# Altium PCB PCB5.PcbDoc (part 11 of 16)
Units mil, origin at the board's own origin, x right, y up, seen from the top; angles counter-clockwise.
Board outline 9210.27 x 4350.4 mil, 4 copper layers (Top Layer, Layer 1, Layer 2, Bottom Layer), stack 23.756 mil thick; 1550 components, 1731 nets, 5196 pads, 1890 vias.
Unrouted connection lines stored in the file: 2462.
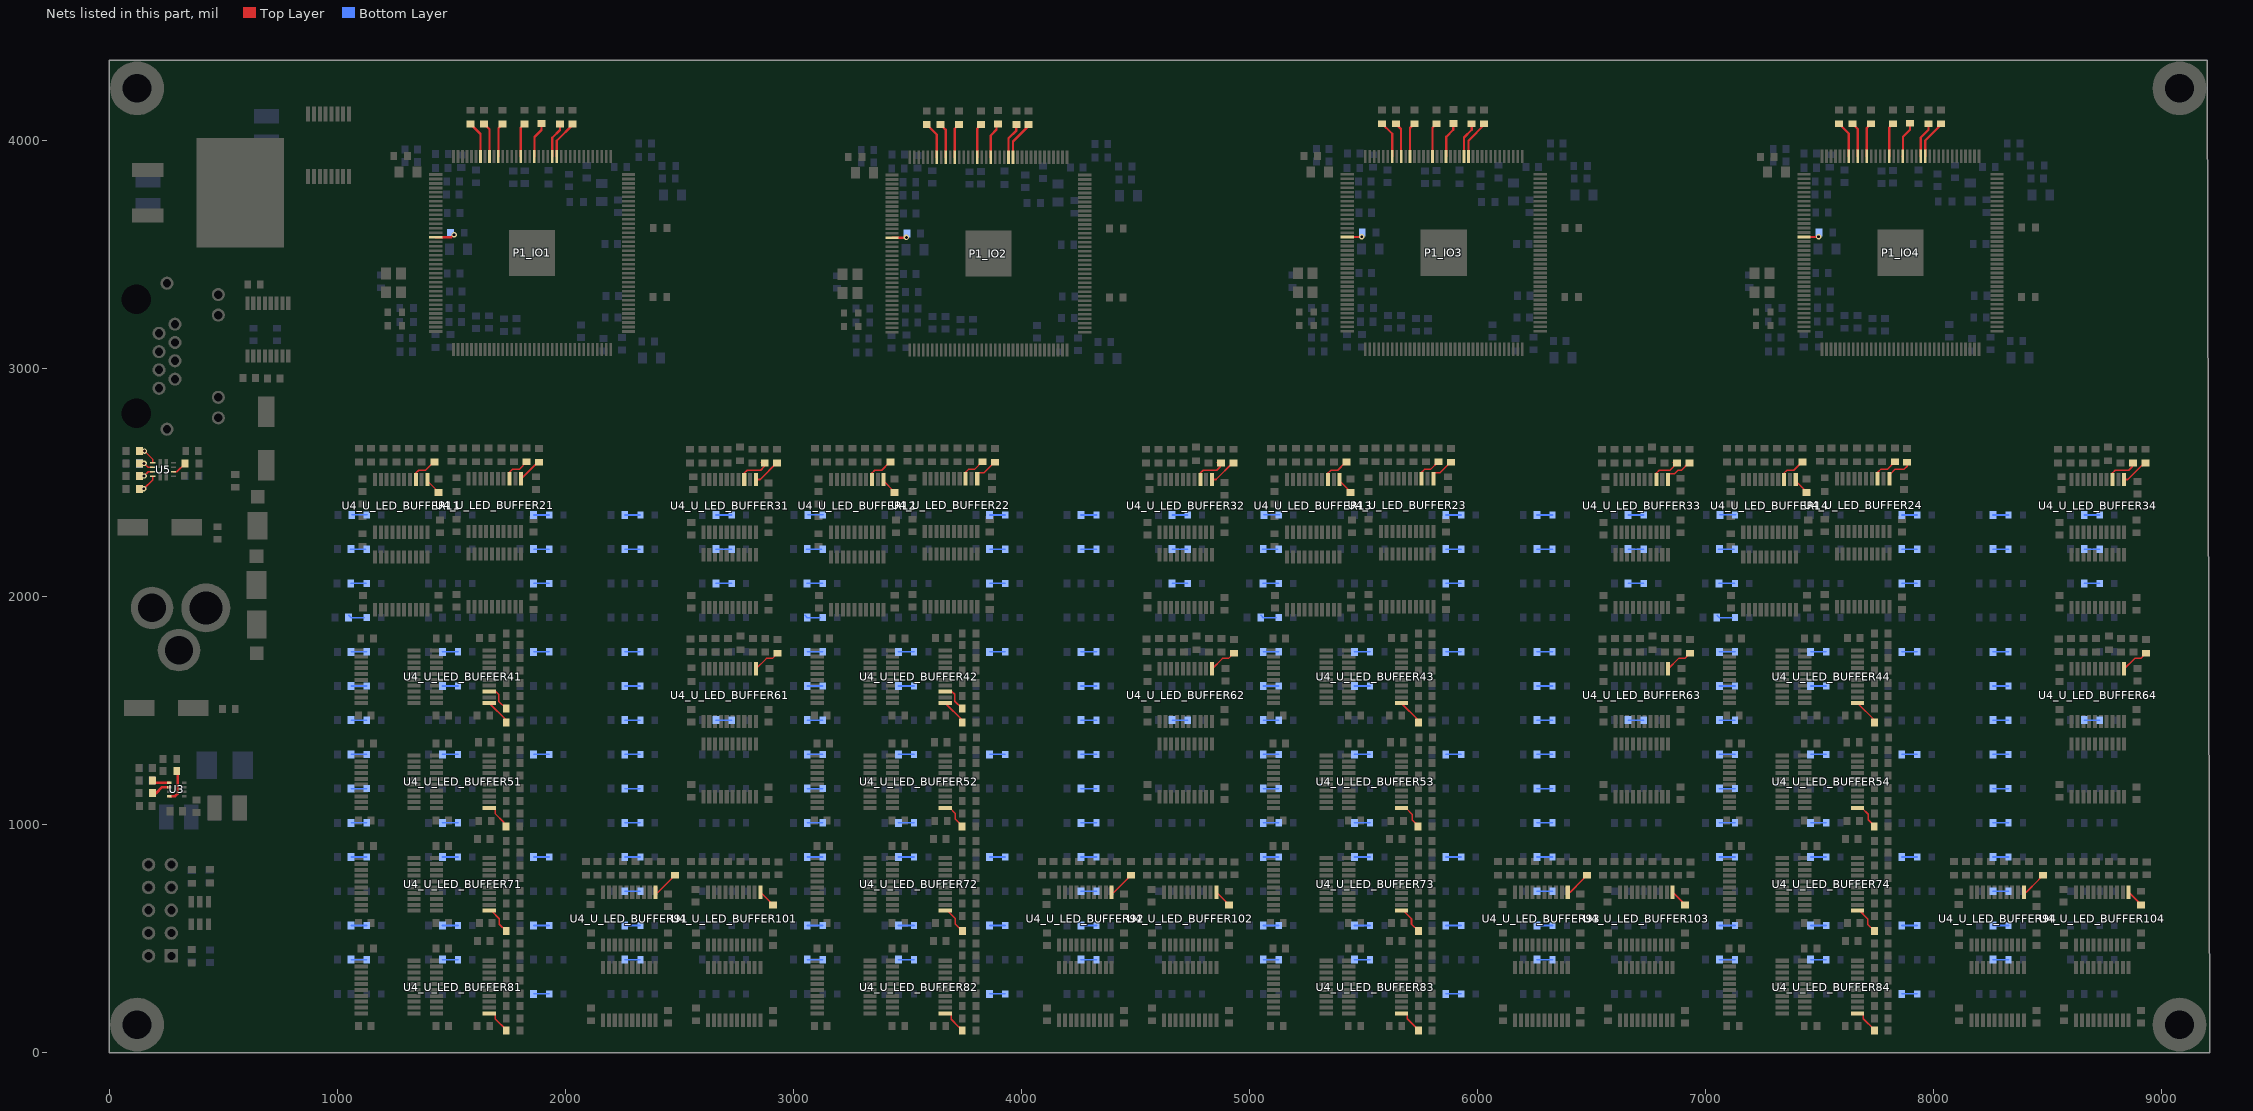
[diagram p13: the nets of this part, all layers, seen from the top]

## Via types
v1: diameter 24, hole 12, Top Layer to Bottom Layer, tented both sides, 1882 vias
v2: diameter 24, hole 12, Top Layer to Bottom Layer, 8 vias

## Nets (pads, with @x,y where several pads share a name; then routed paths per layer and width w, separated by ;. In a path a pad name is that pad's centre, name@x,y a point inside that pad or via, vN(x,y) a via of type N, cw(c..) or ccw(c..) an arc to the next point about the centre after c; other vN are vias at no path point) (continued)
NetD10_U_LED_BUFFER21_2: D10_U_LED_BUFFER21.2 R22_U_LED_BUFFER21.1 | length 68.5
  Bottom Layer w7: R22_U_LED_BUFFER21.1@1860.63,2057.16 D10_U_LED_BUFFER21.2@1929.14,2057.16
NetD10_U_LED_BUFFER22_2: D10_U_LED_BUFFER22.2 R22_U_LED_BUFFER22.1 | length 68.5
  Bottom Layer w7: R22_U_LED_BUFFER22.1@3860.63,2057.16 D10_U_LED_BUFFER22.2@3929.14,2057.16
NetD10_U_LED_BUFFER23_2: D10_U_LED_BUFFER23.2 R22_U_LED_BUFFER23.1 | length 68.5
  Bottom Layer w7: R22_U_LED_BUFFER23.1@5860.63,2057.16 D10_U_LED_BUFFER23.2@5929.14,2057.16
NetD10_U_LED_BUFFER24_2: D10_U_LED_BUFFER24.2 R22_U_LED_BUFFER24.1 | length 68.5
  Bottom Layer w7: R22_U_LED_BUFFER24.1@7860.63,2057.16 D10_U_LED_BUFFER24.2@7929.14,2057.16
NetD10_U_LED_BUFFER31_2: D10_U_LED_BUFFER31.2 R22_U_LED_BUFFER31.1 | length 68.5
  Bottom Layer w7: R22_U_LED_BUFFER31.1@2660.63,2057.16 D10_U_LED_BUFFER31.2@2729.14,2057.16
NetD10_U_LED_BUFFER32_2: D10_U_LED_BUFFER32.2 R22_U_LED_BUFFER32.1 | length 68.5
  Bottom Layer w7: R22_U_LED_BUFFER32.1@4660.63,2057.16 D10_U_LED_BUFFER32.2@4729.14,2057.16
NetD10_U_LED_BUFFER33_2: D10_U_LED_BUFFER33.2 R22_U_LED_BUFFER33.1 | length 68.5
  Bottom Layer w7: R22_U_LED_BUFFER33.1@6660.63,2057.16 D10_U_LED_BUFFER33.2@6729.14,2057.16
NetD10_U_LED_BUFFER34_2: D10_U_LED_BUFFER34.2 R22_U_LED_BUFFER34.1 | length 68.5
  Bottom Layer w7: R22_U_LED_BUFFER34.1@8660.63,2057.16 D10_U_LED_BUFFER34.2@8729.14,2057.16
NetD10_U_LED_BUFFER41_2: D10_U_LED_BUFFER41.2 R22_U_LED_BUFFER41.1 | length 68.5
  Bottom Layer w7: R22_U_LED_BUFFER41.1@1460.63,1607.16 D10_U_LED_BUFFER41.2@1529.14,1607.16
NetD10_U_LED_BUFFER42_2: D10_U_LED_BUFFER42.2 R22_U_LED_BUFFER42.1 | length 68.5
  Bottom Layer w7: R22_U_LED_BUFFER42.1@3460.63,1607.16 D10_U_LED_BUFFER42.2@3529.14,1607.16
NetD10_U_LED_BUFFER43_2: D10_U_LED_BUFFER43.2 R22_U_LED_BUFFER43.1 | length 68.5
  Bottom Layer w7: R22_U_LED_BUFFER43.1@5460.63,1607.16 D10_U_LED_BUFFER43.2@5529.14,1607.16
NetD10_U_LED_BUFFER44_2: D10_U_LED_BUFFER44.2 R22_U_LED_BUFFER44.1 | length 68.5
  Bottom Layer w7: R22_U_LED_BUFFER44.1@7460.63,1607.16 D10_U_LED_BUFFER44.2@7529.14,1607.16
NetD10_U_LED_BUFFER51_2: D10_U_LED_BUFFER51.2 R22_U_LED_BUFFER51.1 | length 68.5
  Bottom Layer w7: R22_U_LED_BUFFER51.1@1060.63,1157.16 D10_U_LED_BUFFER51.2@1129.14,1157.16
NetD10_U_LED_BUFFER52_2: D10_U_LED_BUFFER52.2 R22_U_LED_BUFFER52.1 | length 68.5
  Bottom Layer w7: R22_U_LED_BUFFER52.1@3060.63,1157.16 D10_U_LED_BUFFER52.2@3129.14,1157.16
NetD10_U_LED_BUFFER53_2: D10_U_LED_BUFFER53.2 R22_U_LED_BUFFER53.1 | length 68.5
  Bottom Layer w7: R22_U_LED_BUFFER53.1@5060.63,1157.16 D10_U_LED_BUFFER53.2@5129.14,1157.16
NetD10_U_LED_BUFFER54_2: D10_U_LED_BUFFER54.2 R22_U_LED_BUFFER54.1 | length 68.5
  Bottom Layer w7: R22_U_LED_BUFFER54.1@7060.63,1157.16 D10_U_LED_BUFFER54.2@7129.14,1157.16
NetD10_U_LED_BUFFER61_2: D10_U_LED_BUFFER61.2 R22_U_LED_BUFFER61.1 | length 68.5
  Bottom Layer w7: R22_U_LED_BUFFER61.1@2660.63,1457.16 D10_U_LED_BUFFER61.2@2729.14,1457.16
NetD10_U_LED_BUFFER62_2: D10_U_LED_BUFFER62.2 R22_U_LED_BUFFER62.1 | length 68.5
  Bottom Layer w7: R22_U_LED_BUFFER62.1@4660.63,1457.16 D10_U_LED_BUFFER62.2@4729.14,1457.16
NetD10_U_LED_BUFFER63_2: D10_U_LED_BUFFER63.2 R22_U_LED_BUFFER63.1 | length 68.5
  Bottom Layer w7: R22_U_LED_BUFFER63.1@6660.63,1457.16 D10_U_LED_BUFFER63.2@6729.14,1457.16
NetD10_U_LED_BUFFER64_2: D10_U_LED_BUFFER64.2 R22_U_LED_BUFFER64.1 | length 68.5
  Bottom Layer w7: R22_U_LED_BUFFER64.1@8660.63,1457.16 D10_U_LED_BUFFER64.2@8729.14,1457.16
NetD10_U_LED_BUFFER71_2: D10_U_LED_BUFFER71.2 R22_U_LED_BUFFER71.1 | length 68.5
  Bottom Layer w7: R22_U_LED_BUFFER71.1@1860.63,857.16 D10_U_LED_BUFFER71.2@1929.14,857.16
NetD10_U_LED_BUFFER72_2: D10_U_LED_BUFFER72.2 R22_U_LED_BUFFER72.1 | length 68.5
  Bottom Layer w7: R22_U_LED_BUFFER72.1@3860.63,857.16 D10_U_LED_BUFFER72.2@3929.14,857.16
NetD10_U_LED_BUFFER73_2: D10_U_LED_BUFFER73.2 R22_U_LED_BUFFER73.1 | length 68.5
  Bottom Layer w7: R22_U_LED_BUFFER73.1@5860.63,857.16 D10_U_LED_BUFFER73.2@5929.14,857.16
NetD10_U_LED_BUFFER74_2: D10_U_LED_BUFFER74.2 R22_U_LED_BUFFER74.1 | length 68.5
  Bottom Layer w7: R22_U_LED_BUFFER74.1@7860.63,857.16 D10_U_LED_BUFFER74.2@7929.14,857.16
NetD10_U_LED_BUFFER81_2: D10_U_LED_BUFFER81.2 R22_U_LED_BUFFER81.1 | length 68.5
  Bottom Layer w7: R22_U_LED_BUFFER81.1@1460.63,407.16 D10_U_LED_BUFFER81.2@1529.14,407.16
NetD10_U_LED_BUFFER82_2: D10_U_LED_BUFFER82.2 R22_U_LED_BUFFER82.1 | length 68.5
  Bottom Layer w7: R22_U_LED_BUFFER82.1@3460.63,407.16 D10_U_LED_BUFFER82.2@3529.14,407.16
NetD10_U_LED_BUFFER83_2: D10_U_LED_BUFFER83.2 R22_U_LED_BUFFER83.1 | length 68.5
  Bottom Layer w7: R22_U_LED_BUFFER83.1@5460.63,407.16 D10_U_LED_BUFFER83.2@5529.14,407.16
NetD10_U_LED_BUFFER84_2: D10_U_LED_BUFFER84.2 R22_U_LED_BUFFER84.1 | length 68.5
  Bottom Layer w7: R22_U_LED_BUFFER84.1@7460.63,407.16 D10_U_LED_BUFFER84.2@7529.14,407.16
NetD10_U_LED_BUFFER91_2: D10_U_LED_BUFFER91.2 R22_U_LED_BUFFER91.1 | length 68.5
  Bottom Layer w7: R22_U_LED_BUFFER91.1@2260.63,407.16 D10_U_LED_BUFFER91.2@2329.14,407.16
NetD10_U_LED_BUFFER92_2: D10_U_LED_BUFFER92.2 R22_U_LED_BUFFER92.1 | length 68.5
  Bottom Layer w7: R22_U_LED_BUFFER92.1@4260.63,407.16 D10_U_LED_BUFFER92.2@4329.14,407.16
NetD10_U_LED_BUFFER93_2: D10_U_LED_BUFFER93.2 R22_U_LED_BUFFER93.1 | length 68.5
  Bottom Layer w7: R22_U_LED_BUFFER93.1@6260.63,407.16 D10_U_LED_BUFFER93.2@6329.14,407.16
NetD10_U_LED_BUFFER94_2: D10_U_LED_BUFFER94.2 R22_U_LED_BUFFER94.1 | length 68.5
  Bottom Layer w7: R22_U_LED_BUFFER94.1@8260.63,407.16 D10_U_LED_BUFFER94.2@8329.14,407.16
NetD10_U_LED_BUFFER101_2: 
NetD10_U_LED_BUFFER102_2: 
NetD10_U_LED_BUFFER103_2: 
NetD10_U_LED_BUFFER104_2: 
NetD11_U_LED_BUFFER11_2: D11_U_LED_BUFFER11.2 R26_U_LED_BUFFER11.1 | length 71.5
  Bottom Layer w7: R26_U_LED_BUFFER11.1@1050.63,1917.16 1061.08,1906.72 D11_U_LED_BUFFER11.2@1117.84,1906.72
NetD11_U_LED_BUFFER12_2: D11_U_LED_BUFFER12.2 R26_U_LED_BUFFER12.1 | length 71.5
  Bottom Layer w7: R26_U_LED_BUFFER12.1@3050.63,1917.16 3061.08,1906.72 D11_U_LED_BUFFER12.2@3117.84,1906.72
NetD11_U_LED_BUFFER13_2: D11_U_LED_BUFFER13.2 R26_U_LED_BUFFER13.1 | length 71.5
  Bottom Layer w7: R26_U_LED_BUFFER13.1@5050.63,1917.16 5061.08,1906.72 D11_U_LED_BUFFER13.2@5117.84,1906.72
NetD11_U_LED_BUFFER14_2: D11_U_LED_BUFFER14.2 R26_U_LED_BUFFER14.1 | length 71.5
  Bottom Layer w7: R26_U_LED_BUFFER14.1@7050.63,1917.16 7061.08,1906.72 D11_U_LED_BUFFER14.2@7117.84,1906.72
NetD11_U_LED_BUFFER21_2: D11_U_LED_BUFFER21.2 R26_U_LED_BUFFER21.1 | length 68.5
  Bottom Layer w7: R26_U_LED_BUFFER21.1@2260.63,2207.16 D11_U_LED_BUFFER21.2@2329.14,2207.16
NetD11_U_LED_BUFFER22_2: D11_U_LED_BUFFER22.2 R26_U_LED_BUFFER22.1 | length 68.5
  Bottom Layer w7: R26_U_LED_BUFFER22.1@4260.63,2207.16 D11_U_LED_BUFFER22.2@4329.14,2207.16
NetD11_U_LED_BUFFER23_2: D11_U_LED_BUFFER23.2 R26_U_LED_BUFFER23.1 | length 68.5
  Bottom Layer w7: R26_U_LED_BUFFER23.1@6260.63,2207.16 D11_U_LED_BUFFER23.2@6329.14,2207.16
NetD11_U_LED_BUFFER24_2: D11_U_LED_BUFFER24.2 R26_U_LED_BUFFER24.1 | length 68.5
  Bottom Layer w7: R26_U_LED_BUFFER24.1@8260.63,2207.16 D11_U_LED_BUFFER24.2@8329.14,2207.16
NetD11_U_LED_BUFFER31_2: D11_U_LED_BUFFER31.2 R26_U_LED_BUFFER31.1 | length 68.5
  Bottom Layer w7: R26_U_LED_BUFFER31.1@2660.63,2207.16 D11_U_LED_BUFFER31.2@2729.14,2207.16
NetD11_U_LED_BUFFER32_2: D11_U_LED_BUFFER32.2 R26_U_LED_BUFFER32.1 | length 68.5
  Bottom Layer w7: R26_U_LED_BUFFER32.1@4660.63,2207.16 D11_U_LED_BUFFER32.2@4729.14,2207.16
NetD11_U_LED_BUFFER33_2: D11_U_LED_BUFFER33.2 R26_U_LED_BUFFER33.1 | length 68.5
  Bottom Layer w7: R26_U_LED_BUFFER33.1@6660.63,2207.16 D11_U_LED_BUFFER33.2@6729.14,2207.16
NetD11_U_LED_BUFFER34_2: D11_U_LED_BUFFER34.2 R26_U_LED_BUFFER34.1 | length 68.5
  Bottom Layer w7: R26_U_LED_BUFFER34.1@8660.63,2207.16 D11_U_LED_BUFFER34.2@8729.14,2207.16
NetD11_U_LED_BUFFER41_2: D11_U_LED_BUFFER41.2 R26_U_LED_BUFFER41.1 | length 68.5
  Bottom Layer w7: R26_U_LED_BUFFER41.1@1060.63,1607.16 D11_U_LED_BUFFER41.2@1129.14,1607.16
NetD11_U_LED_BUFFER42_2: D11_U_LED_BUFFER42.2 R26_U_LED_BUFFER42.1 | length 68.5
  Bottom Layer w7: R26_U_LED_BUFFER42.1@3060.63,1607.16 D11_U_LED_BUFFER42.2@3129.14,1607.16
NetD11_U_LED_BUFFER43_2: D11_U_LED_BUFFER43.2 R26_U_LED_BUFFER43.1 | length 68.5
  Bottom Layer w7: R26_U_LED_BUFFER43.1@5060.63,1607.16 D11_U_LED_BUFFER43.2@5129.14,1607.16
NetD11_U_LED_BUFFER44_2: D11_U_LED_BUFFER44.2 R26_U_LED_BUFFER44.1 | length 68.5
  Bottom Layer w7: R26_U_LED_BUFFER44.1@7060.63,1607.16 D11_U_LED_BUFFER44.2@7129.14,1607.16
NetD11_U_LED_BUFFER51_2: D11_U_LED_BUFFER51.2 R26_U_LED_BUFFER51.1 | length 68.5
  Bottom Layer w7: R26_U_LED_BUFFER51.1@1860.63,1307.16 D11_U_LED_BUFFER51.2@1929.14,1307.16
NetD11_U_LED_BUFFER52_2: D11_U_LED_BUFFER52.2 R26_U_LED_BUFFER52.1 | length 68.5
  Bottom Layer w7: R26_U_LED_BUFFER52.1@3860.63,1307.16 D11_U_LED_BUFFER52.2@3929.14,1307.16
NetD11_U_LED_BUFFER53_2: D11_U_LED_BUFFER53.2 R26_U_LED_BUFFER53.1 | length 68.5
  Bottom Layer w7: R26_U_LED_BUFFER53.1@5860.63,1307.16 D11_U_LED_BUFFER53.2@5929.14,1307.16
NetD11_U_LED_BUFFER54_2: D11_U_LED_BUFFER54.2 R26_U_LED_BUFFER54.1 | length 68.5
  Bottom Layer w7: R26_U_LED_BUFFER54.1@7860.63,1307.16 D11_U_LED_BUFFER54.2@7929.14,1307.16
NetD11_U_LED_BUFFER61_2: D11_U_LED_BUFFER61.2 R26_U_LED_BUFFER61.1 | length 68.5
  Bottom Layer w7: R26_U_LED_BUFFER61.1@2260.63,1007.16 D11_U_LED_BUFFER61.2@2329.14,1007.16
NetD11_U_LED_BUFFER62_2: D11_U_LED_BUFFER62.2 R26_U_LED_BUFFER62.1 | length 68.5
  Bottom Layer w7: R26_U_LED_BUFFER62.1@4260.63,1007.16 D11_U_LED_BUFFER62.2@4329.14,1007.16
NetD11_U_LED_BUFFER63_2: D11_U_LED_BUFFER63.2 R26_U_LED_BUFFER63.1 | length 68.5
  Bottom Layer w7: R26_U_LED_BUFFER63.1@6260.63,1007.16 D11_U_LED_BUFFER63.2@6329.14,1007.16
NetD11_U_LED_BUFFER64_2: D11_U_LED_BUFFER64.2 R26_U_LED_BUFFER64.1 | length 68.5
  Bottom Layer w7: R26_U_LED_BUFFER64.1@8260.63,1007.16 D11_U_LED_BUFFER64.2@8329.14,1007.16
NetD11_U_LED_BUFFER71_2: D11_U_LED_BUFFER71.2 R26_U_LED_BUFFER71.1 | length 68.5
  Bottom Layer w7: R26_U_LED_BUFFER71.1@1460.63,857.16 D11_U_LED_BUFFER71.2@1529.14,857.16
NetD11_U_LED_BUFFER72_2: D11_U_LED_BUFFER72.2 R26_U_LED_BUFFER72.1 | length 68.5
  Bottom Layer w7: R26_U_LED_BUFFER72.1@3460.63,857.16 D11_U_LED_BUFFER72.2@3529.14,857.16
NetD11_U_LED_BUFFER73_2: D11_U_LED_BUFFER73.2 R26_U_LED_BUFFER73.1 | length 68.5
  Bottom Layer w7: R26_U_LED_BUFFER73.1@5460.63,857.16 D11_U_LED_BUFFER73.2@5529.14,857.16
NetD11_U_LED_BUFFER74_2: D11_U_LED_BUFFER74.2 R26_U_LED_BUFFER74.1 | length 68.5
  Bottom Layer w7: R26_U_LED_BUFFER74.1@7460.63,857.16 D11_U_LED_BUFFER74.2@7529.14,857.16
NetD11_U_LED_BUFFER81_2: D11_U_LED_BUFFER81.2 R26_U_LED_BUFFER81.1 | length 68.5
  Bottom Layer w7: R26_U_LED_BUFFER81.1@1060.63,407.16 D11_U_LED_BUFFER81.2@1129.14,407.16
NetD11_U_LED_BUFFER82_2: D11_U_LED_BUFFER82.2 R26_U_LED_BUFFER82.1 | length 68.5
  Bottom Layer w7: R26_U_LED_BUFFER82.1@3060.63,407.16 D11_U_LED_BUFFER82.2@3129.14,407.16
NetD11_U_LED_BUFFER83_2: D11_U_LED_BUFFER83.2 R26_U_LED_BUFFER83.1 | length 68.5
  Bottom Layer w7: R26_U_LED_BUFFER83.1@5060.63,407.16 D11_U_LED_BUFFER83.2@5129.14,407.16
NetD11_U_LED_BUFFER84_2: D11_U_LED_BUFFER84.2 R26_U_LED_BUFFER84.1 | length 68.5
  Bottom Layer w7: R26_U_LED_BUFFER84.1@7060.63,407.16 D11_U_LED_BUFFER84.2@7129.14,407.16
NetD11_U_LED_BUFFER91_2: D11_U_LED_BUFFER91.2 R26_U_LED_BUFFER91.1 | length 68.5
  Bottom Layer w7: R26_U_LED_BUFFER91.1@2260.63,557.16 D11_U_LED_BUFFER91.2@2329.14,557.16
NetD11_U_LED_BUFFER92_2: D11_U_LED_BUFFER92.2 R26_U_LED_BUFFER92.1 | length 68.5
  Bottom Layer w7: R26_U_LED_BUFFER92.1@4260.63,557.16 D11_U_LED_BUFFER92.2@4329.14,557.16
NetD11_U_LED_BUFFER93_2: D11_U_LED_BUFFER93.2 R26_U_LED_BUFFER93.1 | length 68.5
  Bottom Layer w7: R26_U_LED_BUFFER93.1@6260.63,557.16 D11_U_LED_BUFFER93.2@6329.14,557.16
NetD11_U_LED_BUFFER94_2: D11_U_LED_BUFFER94.2 R26_U_LED_BUFFER94.1 | length 68.5
  Bottom Layer w7: R26_U_LED_BUFFER94.1@8260.63,557.16 D11_U_LED_BUFFER94.2@8329.14,557.16
NetD11_U_LED_BUFFER101_2: 
NetD11_U_LED_BUFFER102_2: 
NetD11_U_LED_BUFFER103_2: 
NetD11_U_LED_BUFFER104_2: 
NetD12_U_LED_BUFFER11_2: D12_U_LED_BUFFER11.2 R27_U_LED_BUFFER11.1 | length 68.5
  Bottom Layer w7: R27_U_LED_BUFFER11.1@1059.14,2057.16 D12_U_LED_BUFFER11.2@1127.64,2057.16
NetD12_U_LED_BUFFER12_2: D12_U_LED_BUFFER12.2 R27_U_LED_BUFFER12.1 | length 68.5
  Bottom Layer w7: R27_U_LED_BUFFER12.1@3059.14,2057.16 D12_U_LED_BUFFER12.2@3127.64,2057.16
NetD12_U_LED_BUFFER13_2: D12_U_LED_BUFFER13.2 R27_U_LED_BUFFER13.1 | length 68.5
  Bottom Layer w7: R27_U_LED_BUFFER13.1@5059.14,2057.16 D12_U_LED_BUFFER13.2@5127.64,2057.16
NetD12_U_LED_BUFFER14_2: D12_U_LED_BUFFER14.2 R27_U_LED_BUFFER14.1 | length 68.5
  Bottom Layer w7: R27_U_LED_BUFFER14.1@7059.14,2057.16 D12_U_LED_BUFFER14.2@7127.64,2057.16
NetD12_U_LED_BUFFER21_2: D12_U_LED_BUFFER21.2 R27_U_LED_BUFFER21.1 | length 68.5
  Bottom Layer w7: R27_U_LED_BUFFER21.1@1860.63,2207.16 D12_U_LED_BUFFER21.2@1929.14,2207.16
NetD12_U_LED_BUFFER22_2: D12_U_LED_BUFFER22.2 R27_U_LED_BUFFER22.1 | length 68.5
  Bottom Layer w7: R27_U_LED_BUFFER22.1@3860.63,2207.16 D12_U_LED_BUFFER22.2@3929.14,2207.16
NetD12_U_LED_BUFFER23_2: D12_U_LED_BUFFER23.2 R27_U_LED_BUFFER23.1 | length 68.5
  Bottom Layer w7: R27_U_LED_BUFFER23.1@5860.63,2207.16 D12_U_LED_BUFFER23.2@5929.14,2207.16
NetD12_U_LED_BUFFER24_2: D12_U_LED_BUFFER24.2 R27_U_LED_BUFFER24.1 | length 68.5
  Bottom Layer w7: R27_U_LED_BUFFER24.1@7860.63,2207.16 D12_U_LED_BUFFER24.2@7929.14,2207.16
NetD12_U_LED_BUFFER31_2: D12_U_LED_BUFFER31.2 R27_U_LED_BUFFER31.1 | length 68.5
  Bottom Layer w7: R27_U_LED_BUFFER31.1@2660.63,2357.16 D12_U_LED_BUFFER31.2@2729.14,2357.16
NetD12_U_LED_BUFFER32_2: D12_U_LED_BUFFER32.2 R27_U_LED_BUFFER32.1 | length 68.5
  Bottom Layer w7: R27_U_LED_BUFFER32.1@4660.63,2357.16 D12_U_LED_BUFFER32.2@4729.14,2357.16
NetD12_U_LED_BUFFER33_2: D12_U_LED_BUFFER33.2 R27_U_LED_BUFFER33.1 | length 68.5
  Bottom Layer w7: R27_U_LED_BUFFER33.1@6660.63,2357.16 D12_U_LED_BUFFER33.2@6729.14,2357.16
NetD12_U_LED_BUFFER34_2: D12_U_LED_BUFFER34.2 R27_U_LED_BUFFER34.1 | length 68.5
  Bottom Layer w7: R27_U_LED_BUFFER34.1@8660.63,2357.16 D12_U_LED_BUFFER34.2@8729.14,2357.16
NetD12_U_LED_BUFFER41_2: D12_U_LED_BUFFER41.2 R27_U_LED_BUFFER41.1 | length 68.5
  Bottom Layer w7: R27_U_LED_BUFFER41.1@1860.63,1757.16 D12_U_LED_BUFFER41.2@1929.14,1757.16
NetD12_U_LED_BUFFER42_2: D12_U_LED_BUFFER42.2 R27_U_LED_BUFFER42.1 | length 68.5
  Bottom Layer w7: R27_U_LED_BUFFER42.1@3860.63,1757.16 D12_U_LED_BUFFER42.2@3929.14,1757.16
NetD12_U_LED_BUFFER43_2: D12_U_LED_BUFFER43.2 R27_U_LED_BUFFER43.1 | length 68.5
  Bottom Layer w7: R27_U_LED_BUFFER43.1@5860.63,1757.16 D12_U_LED_BUFFER43.2@5929.14,1757.16
NetD12_U_LED_BUFFER44_2: D12_U_LED_BUFFER44.2 R27_U_LED_BUFFER44.1 | length 68.5
  Bottom Layer w7: R27_U_LED_BUFFER44.1@7860.63,1757.16 D12_U_LED_BUFFER44.2@7929.14,1757.16
NetD12_U_LED_BUFFER51_2: D12_U_LED_BUFFER51.2 R27_U_LED_BUFFER51.1 | length 68.5
  Bottom Layer w7: R27_U_LED_BUFFER51.1@1460.63,1307.16 D12_U_LED_BUFFER51.2@1529.14,1307.16
NetD12_U_LED_BUFFER52_2: D12_U_LED_BUFFER52.2 R27_U_LED_BUFFER52.1 | length 68.5
  Bottom Layer w7: R27_U_LED_BUFFER52.1@3460.63,1307.16 D12_U_LED_BUFFER52.2@3529.14,1307.16
NetD12_U_LED_BUFFER53_2: D12_U_LED_BUFFER53.2 R27_U_LED_BUFFER53.1 | length 68.5
  Bottom Layer w7: R27_U_LED_BUFFER53.1@5460.63,1307.16 D12_U_LED_BUFFER53.2@5529.14,1307.16
NetD12_U_LED_BUFFER54_2: D12_U_LED_BUFFER54.2 R27_U_LED_BUFFER54.1 | length 68.5
  Bottom Layer w7: R27_U_LED_BUFFER54.1@7460.63,1307.16 D12_U_LED_BUFFER54.2@7529.14,1307.16
NetD12_U_LED_BUFFER61_2: D12_U_LED_BUFFER61.2 R27_U_LED_BUFFER61.1 | length 68.5
  Bottom Layer w7: R27_U_LED_BUFFER61.1@2260.63,1157.16 D12_U_LED_BUFFER61.2@2329.14,1157.16
NetD12_U_LED_BUFFER62_2: D12_U_LED_BUFFER62.2 R27_U_LED_BUFFER62.1 | length 68.5
  Bottom Layer w7: R27_U_LED_BUFFER62.1@4260.63,1157.16 D12_U_LED_BUFFER62.2@4329.14,1157.16
NetD12_U_LED_BUFFER63_2: D12_U_LED_BUFFER63.2 R27_U_LED_BUFFER63.1 | length 68.5
  Bottom Layer w7: R27_U_LED_BUFFER63.1@6260.63,1157.16 D12_U_LED_BUFFER63.2@6329.14,1157.16
NetD12_U_LED_BUFFER64_2: D12_U_LED_BUFFER64.2 R27_U_LED_BUFFER64.1 | length 68.5
  Bottom Layer w7: R27_U_LED_BUFFER64.1@8260.63,1157.16 D12_U_LED_BUFFER64.2@8329.14,1157.16
NetD12_U_LED_BUFFER71_2: D12_U_LED_BUFFER71.2 R27_U_LED_BUFFER71.1 | length 68.5
  Bottom Layer w7: R27_U_LED_BUFFER71.1@1060.63,857.16 D12_U_LED_BUFFER71.2@1129.14,857.16
NetD12_U_LED_BUFFER72_2: D12_U_LED_BUFFER72.2 R27_U_LED_BUFFER72.1 | length 68.5
  Bottom Layer w7: R27_U_LED_BUFFER72.1@3060.63,857.16 D12_U_LED_BUFFER72.2@3129.14,857.16
NetD12_U_LED_BUFFER73_2: D12_U_LED_BUFFER73.2 R27_U_LED_BUFFER73.1 | length 68.5
  Bottom Layer w7: R27_U_LED_BUFFER73.1@5060.63,857.16 D12_U_LED_BUFFER73.2@5129.14,857.16
NetD12_U_LED_BUFFER74_2: D12_U_LED_BUFFER74.2 R27_U_LED_BUFFER74.1 | length 68.5
  Bottom Layer w7: R27_U_LED_BUFFER74.1@7060.63,857.16 D12_U_LED_BUFFER74.2@7129.14,857.16
NetD12_U_LED_BUFFER81_2: D12_U_LED_BUFFER81.2 R27_U_LED_BUFFER81.1 | length 68.5
  Bottom Layer w7: R27_U_LED_BUFFER81.1@1860.63,557.16 D12_U_LED_BUFFER81.2@1929.14,557.16
NetD12_U_LED_BUFFER82_2: D12_U_LED_BUFFER82.2 R27_U_LED_BUFFER82.1 | length 68.5
  Bottom Layer w7: R27_U_LED_BUFFER82.1@3860.63,557.16 D12_U_LED_BUFFER82.2@3929.14,557.16
NetD12_U_LED_BUFFER83_2: D12_U_LED_BUFFER83.2 R27_U_LED_BUFFER83.1 | length 68.5
  Bottom Layer w7: R27_U_LED_BUFFER83.1@5860.63,557.16 D12_U_LED_BUFFER83.2@5929.14,557.16
NetD12_U_LED_BUFFER84_2: D12_U_LED_BUFFER84.2 R27_U_LED_BUFFER84.1 | length 68.5
  Bottom Layer w7: R27_U_LED_BUFFER84.1@7860.63,557.16 D12_U_LED_BUFFER84.2@7929.14,557.16
NetD12_U_LED_BUFFER91_2: D12_U_LED_BUFFER91.2 R27_U_LED_BUFFER91.1 | length 68.5
  Bottom Layer w7: R27_U_LED_BUFFER91.1@2260.63,707.16 D12_U_LED_BUFFER91.2@2329.14,707.16
NetD12_U_LED_BUFFER92_2: D12_U_LED_BUFFER92.2 R27_U_LED_BUFFER92.1 | length 68.5
  Bottom Layer w7: R27_U_LED_BUFFER92.1@4260.63,707.16 D12_U_LED_BUFFER92.2@4329.14,707.16
NetD12_U_LED_BUFFER93_2: D12_U_LED_BUFFER93.2 R27_U_LED_BUFFER93.1 | length 68.5
  Bottom Layer w7: R27_U_LED_BUFFER93.1@6260.63,707.16 D12_U_LED_BUFFER93.2@6329.14,707.16
NetD12_U_LED_BUFFER94_2: D12_U_LED_BUFFER94.2 R27_U_LED_BUFFER94.1 | length 68.5
  Bottom Layer w7: R27_U_LED_BUFFER94.1@8260.63,707.16 D12_U_LED_BUFFER94.2@8329.14,707.16
NetD12_U_LED_BUFFER101_2: 
NetD12_U_LED_BUFFER102_2: 
NetD12_U_LED_BUFFER103_2: 
NetD12_U_LED_BUFFER104_2: 
NetD13_U_LED_BUFFER11_2: D13_U_LED_BUFFER11.2 R45_U_LED_BUFFER11.1 | length 68.5
  Bottom Layer w7: R45_U_LED_BUFFER11.1@1056.43,2207.13 D13_U_LED_BUFFER11.2@1124.93,2207.13
NetD13_U_LED_BUFFER12_2: D13_U_LED_BUFFER12.2 R45_U_LED_BUFFER12.1 | length 68.5
  Bottom Layer w7: R45_U_LED_BUFFER12.1@3056.43,2207.13 D13_U_LED_BUFFER12.2@3124.93,2207.13
NetD13_U_LED_BUFFER13_2: D13_U_LED_BUFFER13.2 R45_U_LED_BUFFER13.1 | length 68.5
  Bottom Layer w7: R45_U_LED_BUFFER13.1@5056.43,2207.13 D13_U_LED_BUFFER13.2@5124.93,2207.13
NetD13_U_LED_BUFFER14_2: D13_U_LED_BUFFER14.2 R45_U_LED_BUFFER14.1 | length 68.5
  Bottom Layer w7: R45_U_LED_BUFFER14.1@7056.43,2207.13 D13_U_LED_BUFFER14.2@7124.93,2207.13
NetD13_U_LED_BUFFER21_2: D13_U_LED_BUFFER21.2 R45_U_LED_BUFFER21.1 | length 68.5
  Bottom Layer w7: R45_U_LED_BUFFER21.1@2260.63,2357.16 D13_U_LED_BUFFER21.2@2329.14,2357.16
NetD13_U_LED_BUFFER22_2: D13_U_LED_BUFFER22.2 R45_U_LED_BUFFER22.1 | length 68.5
  Bottom Layer w7: R45_U_LED_BUFFER22.1@4260.63,2357.16 D13_U_LED_BUFFER22.2@4329.14,2357.16
NetD13_U_LED_BUFFER23_2: D13_U_LED_BUFFER23.2 R45_U_LED_BUFFER23.1 | length 68.5
  Bottom Layer w7: R45_U_LED_BUFFER23.1@6260.63,2357.16 D13_U_LED_BUFFER23.2@6329.14,2357.16
NetD13_U_LED_BUFFER24_2: D13_U_LED_BUFFER24.2 R45_U_LED_BUFFER24.1 | length 68.5
  Bottom Layer w7: R45_U_LED_BUFFER24.1@8260.63,2357.16 D13_U_LED_BUFFER24.2@8329.14,2357.16
NetD13_U_LED_BUFFER31_2: D13_U_LED_BUFFER31.2 R45_U_LED_BUFFER31.1 | length 68.5
  Bottom Layer w7: R45_U_LED_BUFFER31.1@2260.63,1607.16 D13_U_LED_BUFFER31.2@2329.14,1607.16
NetD13_U_LED_BUFFER32_2: D13_U_LED_BUFFER32.2 R45_U_LED_BUFFER32.1 | length 68.5
  Bottom Layer w7: R45_U_LED_BUFFER32.1@4260.63,1607.16 D13_U_LED_BUFFER32.2@4329.14,1607.16
NetD13_U_LED_BUFFER33_2: D13_U_LED_BUFFER33.2 R45_U_LED_BUFFER33.1 | length 68.5
  Bottom Layer w7: R45_U_LED_BUFFER33.1@6260.63,1607.16 D13_U_LED_BUFFER33.2@6329.14,1607.16
NetD13_U_LED_BUFFER34_2: D13_U_LED_BUFFER34.2 R45_U_LED_BUFFER34.1 | length 68.5
  Bottom Layer w7: R45_U_LED_BUFFER34.1@8260.63,1607.16 D13_U_LED_BUFFER34.2@8329.14,1607.16
NetD13_U_LED_BUFFER41_2: D13_U_LED_BUFFER41.2 R45_U_LED_BUFFER41.1 | length 68.5
  Bottom Layer w7: R45_U_LED_BUFFER41.1@1460.63,1757.16 D13_U_LED_BUFFER41.2@1529.14,1757.16
NetD13_U_LED_BUFFER42_2: D13_U_LED_BUFFER42.2 R45_U_LED_BUFFER42.1 | length 68.5
  Bottom Layer w7: R45_U_LED_BUFFER42.1@3460.63,1757.16 D13_U_LED_BUFFER42.2@3529.14,1757.16
NetD13_U_LED_BUFFER43_2: D13_U_LED_BUFFER43.2 R45_U_LED_BUFFER43.1 | length 68.5
  Bottom Layer w7: R45_U_LED_BUFFER43.1@5460.63,1757.16 D13_U_LED_BUFFER43.2@5529.14,1757.16
NetD13_U_LED_BUFFER44_2: D13_U_LED_BUFFER44.2 R45_U_LED_BUFFER44.1 | length 68.5
  Bottom Layer w7: R45_U_LED_BUFFER44.1@7460.63,1757.16 D13_U_LED_BUFFER44.2@7529.14,1757.16
NetD13_U_LED_BUFFER51_2: D13_U_LED_BUFFER51.2 R45_U_LED_BUFFER51.1 | length 68.5
  Bottom Layer w7: R45_U_LED_BUFFER51.1@1060.63,1307.16 D13_U_LED_BUFFER51.2@1129.14,1307.16
NetD13_U_LED_BUFFER52_2: D13_U_LED_BUFFER52.2 R45_U_LED_BUFFER52.1 | length 68.5
  Bottom Layer w7: R45_U_LED_BUFFER52.1@3060.63,1307.16 D13_U_LED_BUFFER52.2@3129.14,1307.16